# Altium PCB fastic-readout.PcbDoc (part 1 of 6)
Units mm, origin at the board's own origin, x right, y up, seen from the top; angles counter-clockwise.
Board outline 60 x 60 mm, 8 copper layers (Top Layer, L02-GND, L03-PWR, L04- Signal, L05 - Signal, L06-PWR, L07-GND, Bottom Layer), stack 1.566 mm thick; 378 components, 394 nets, 1536 pads, 1082 vias.
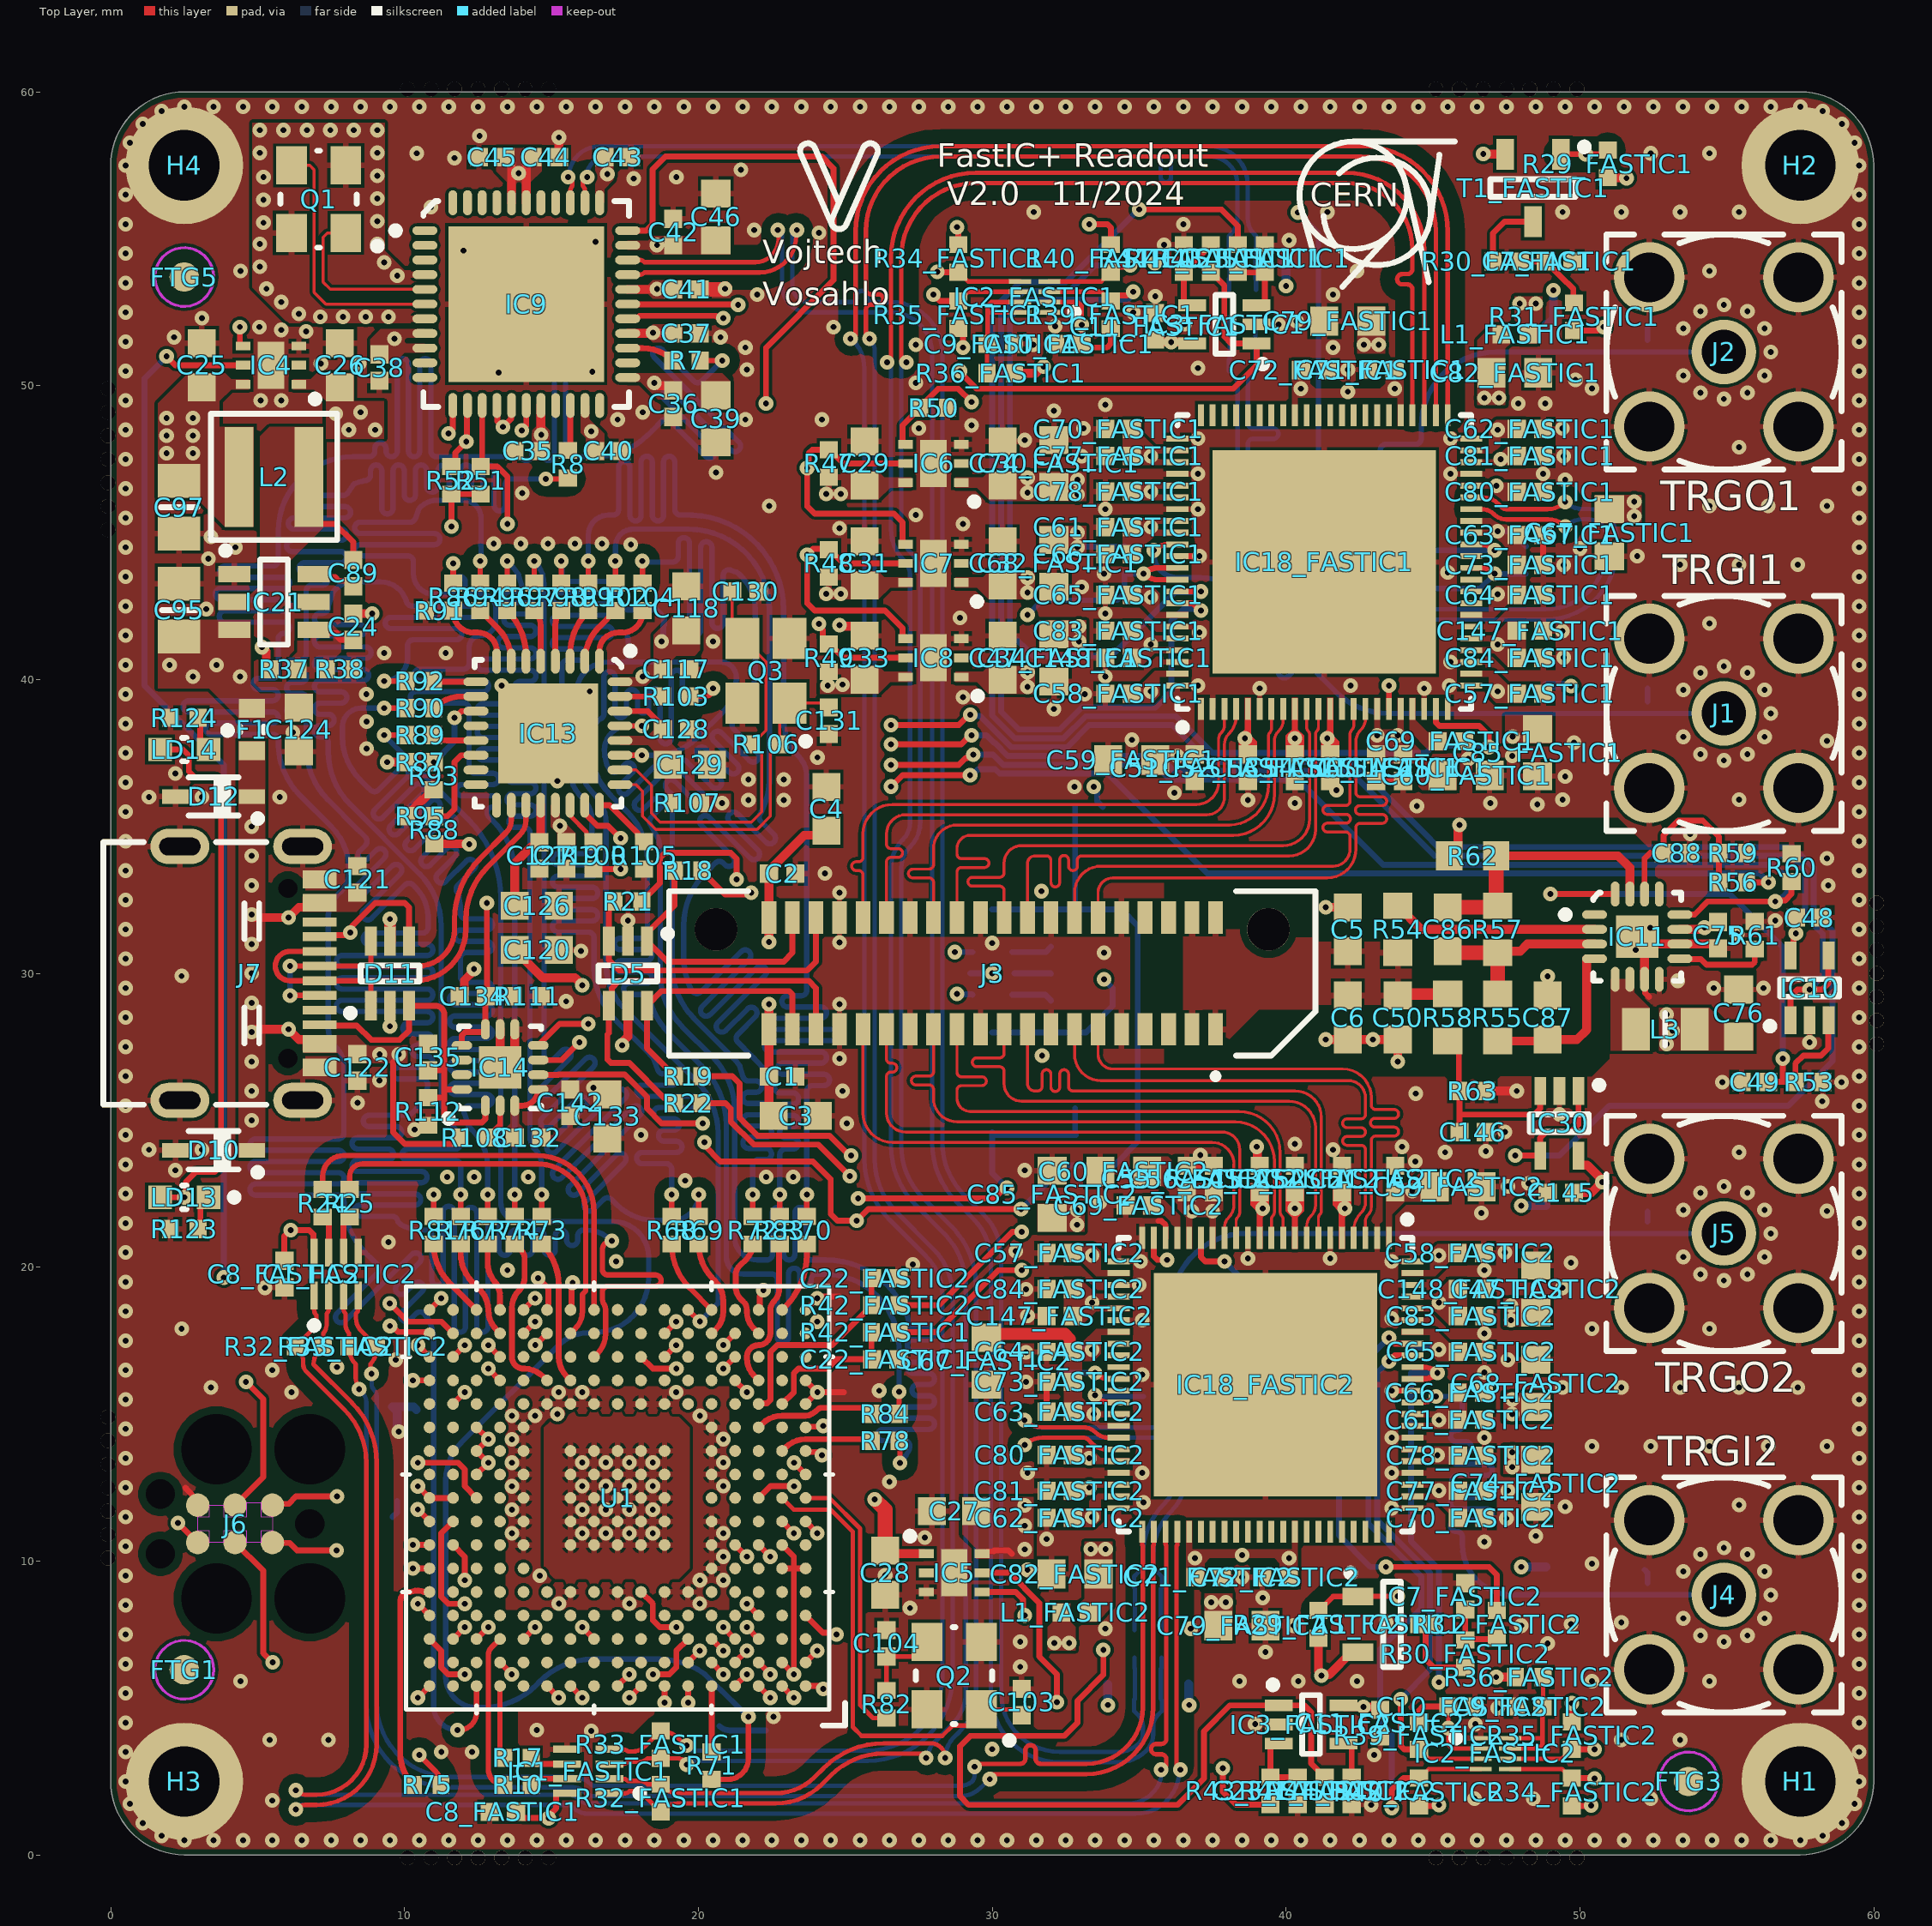
[diagram p0: Top Layer view]
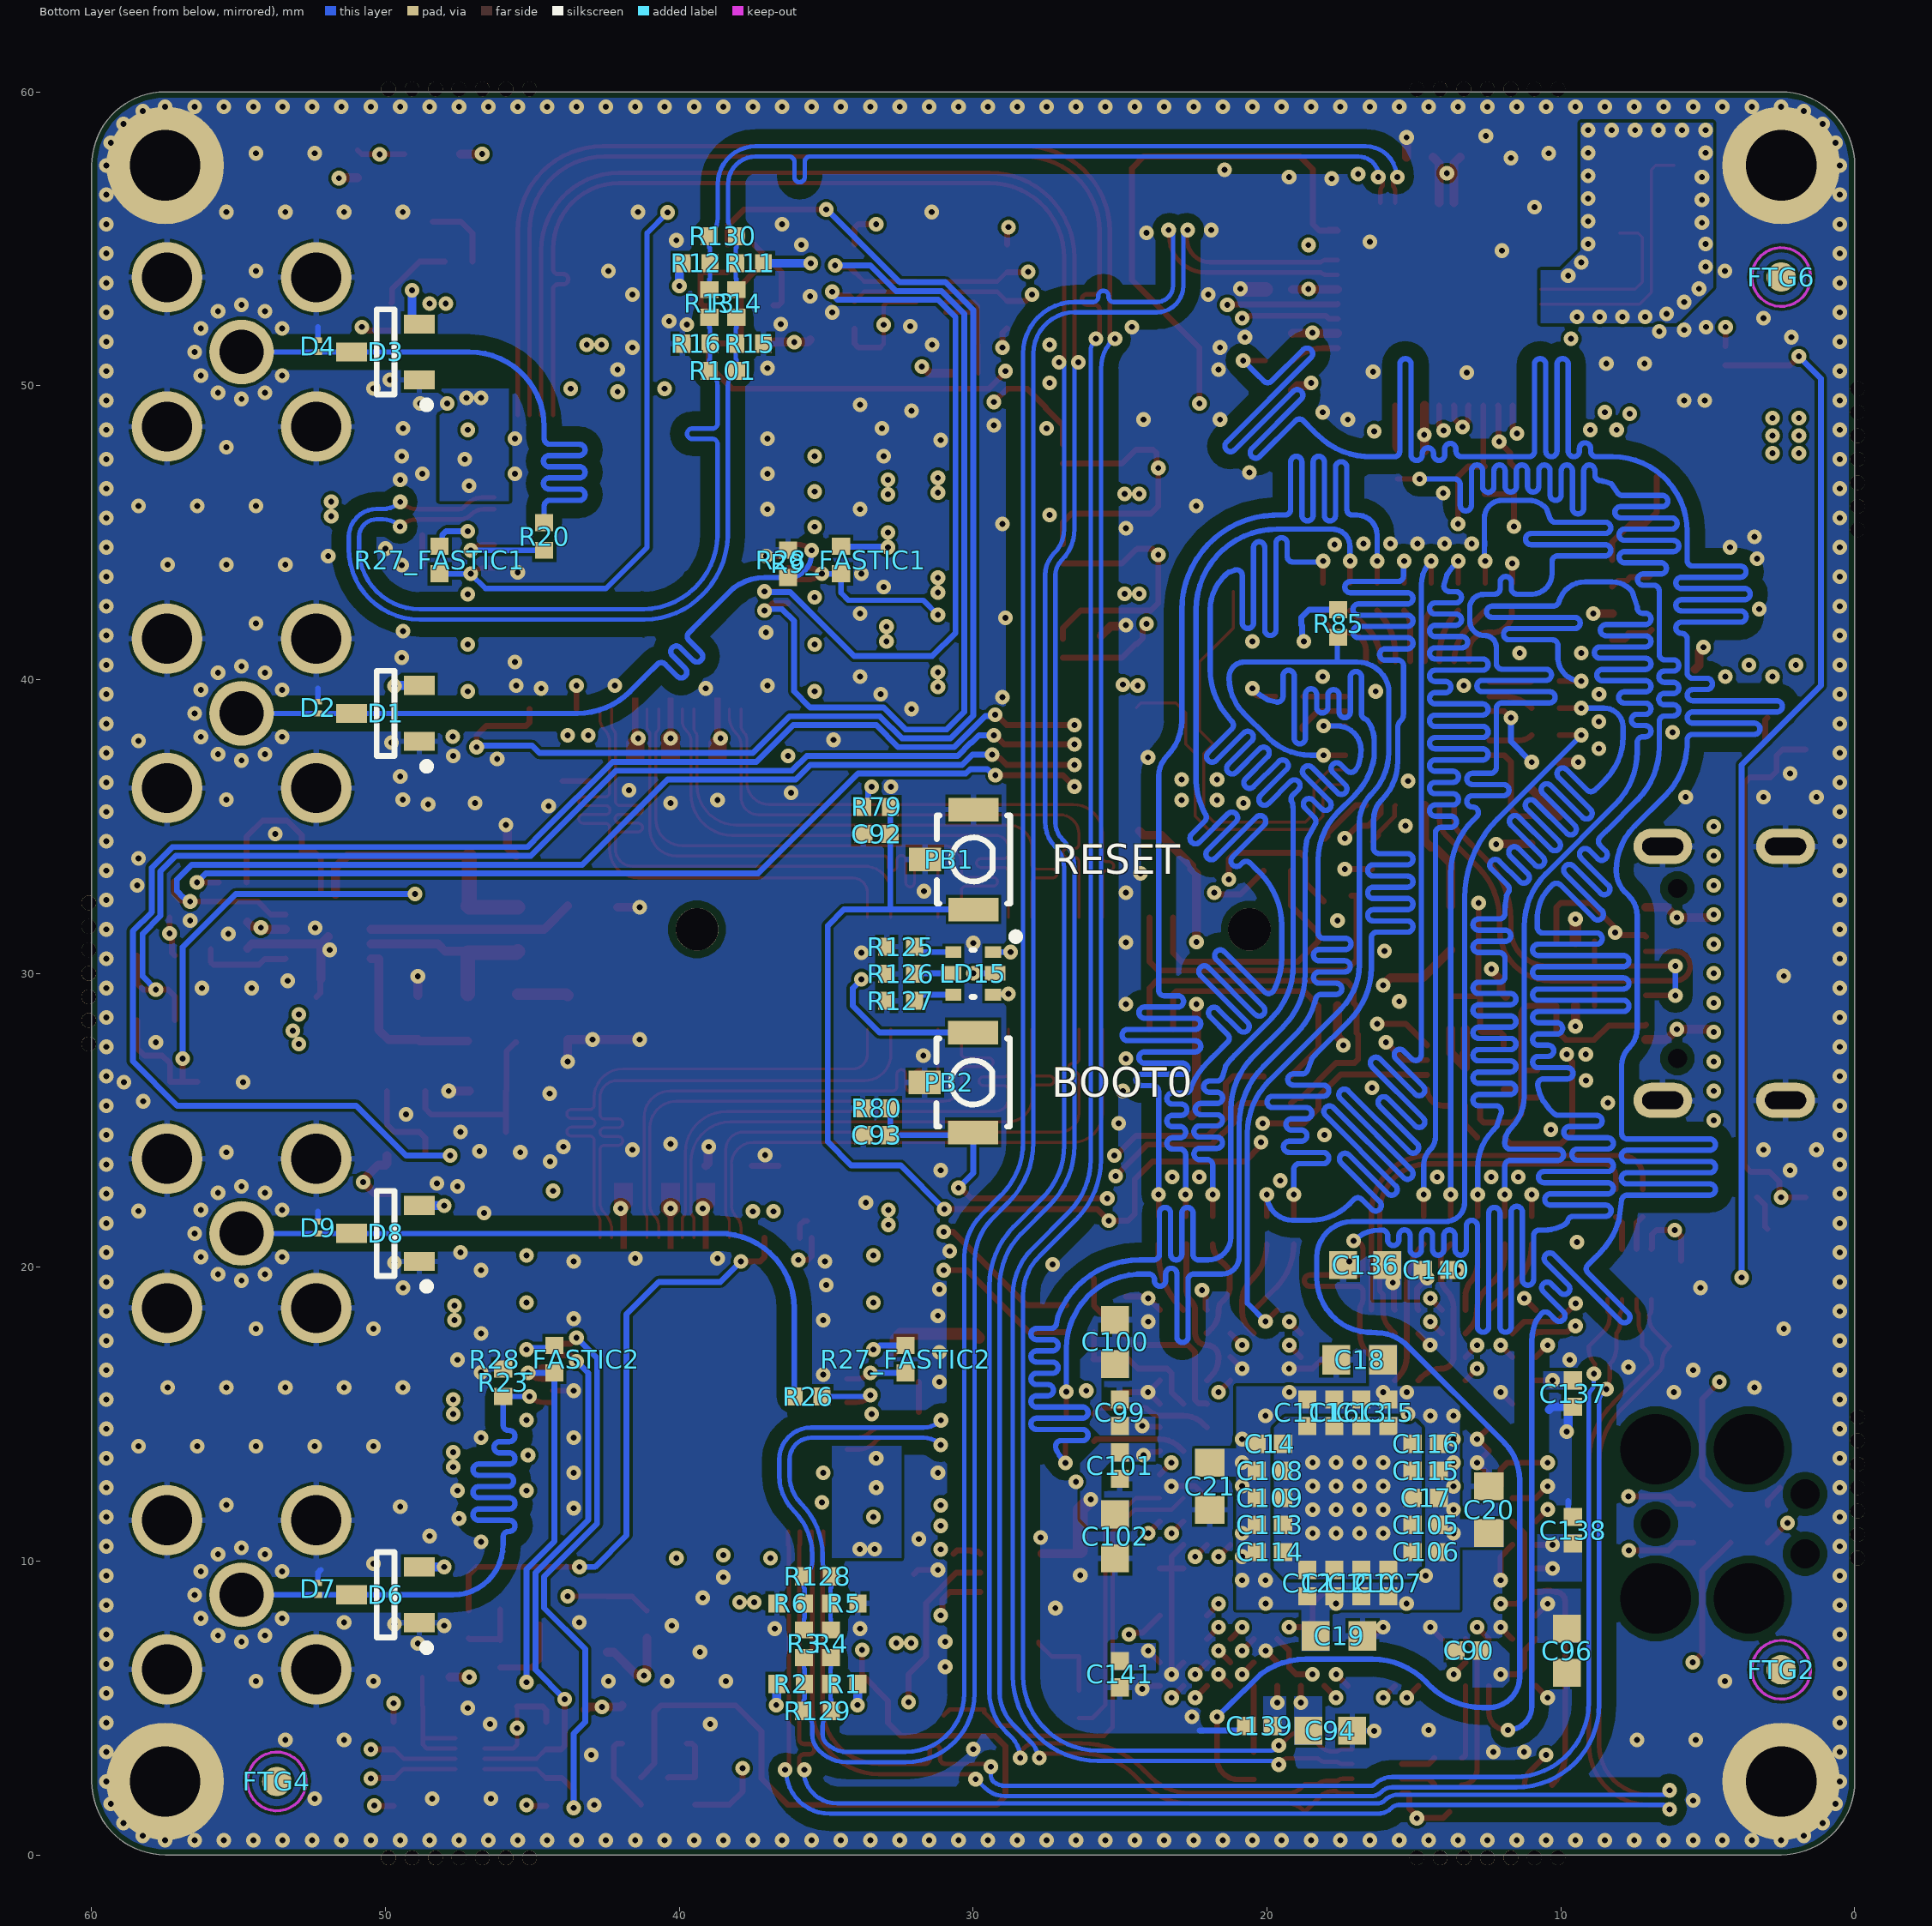
[diagram p1: Bottom Layer view, seen from below]
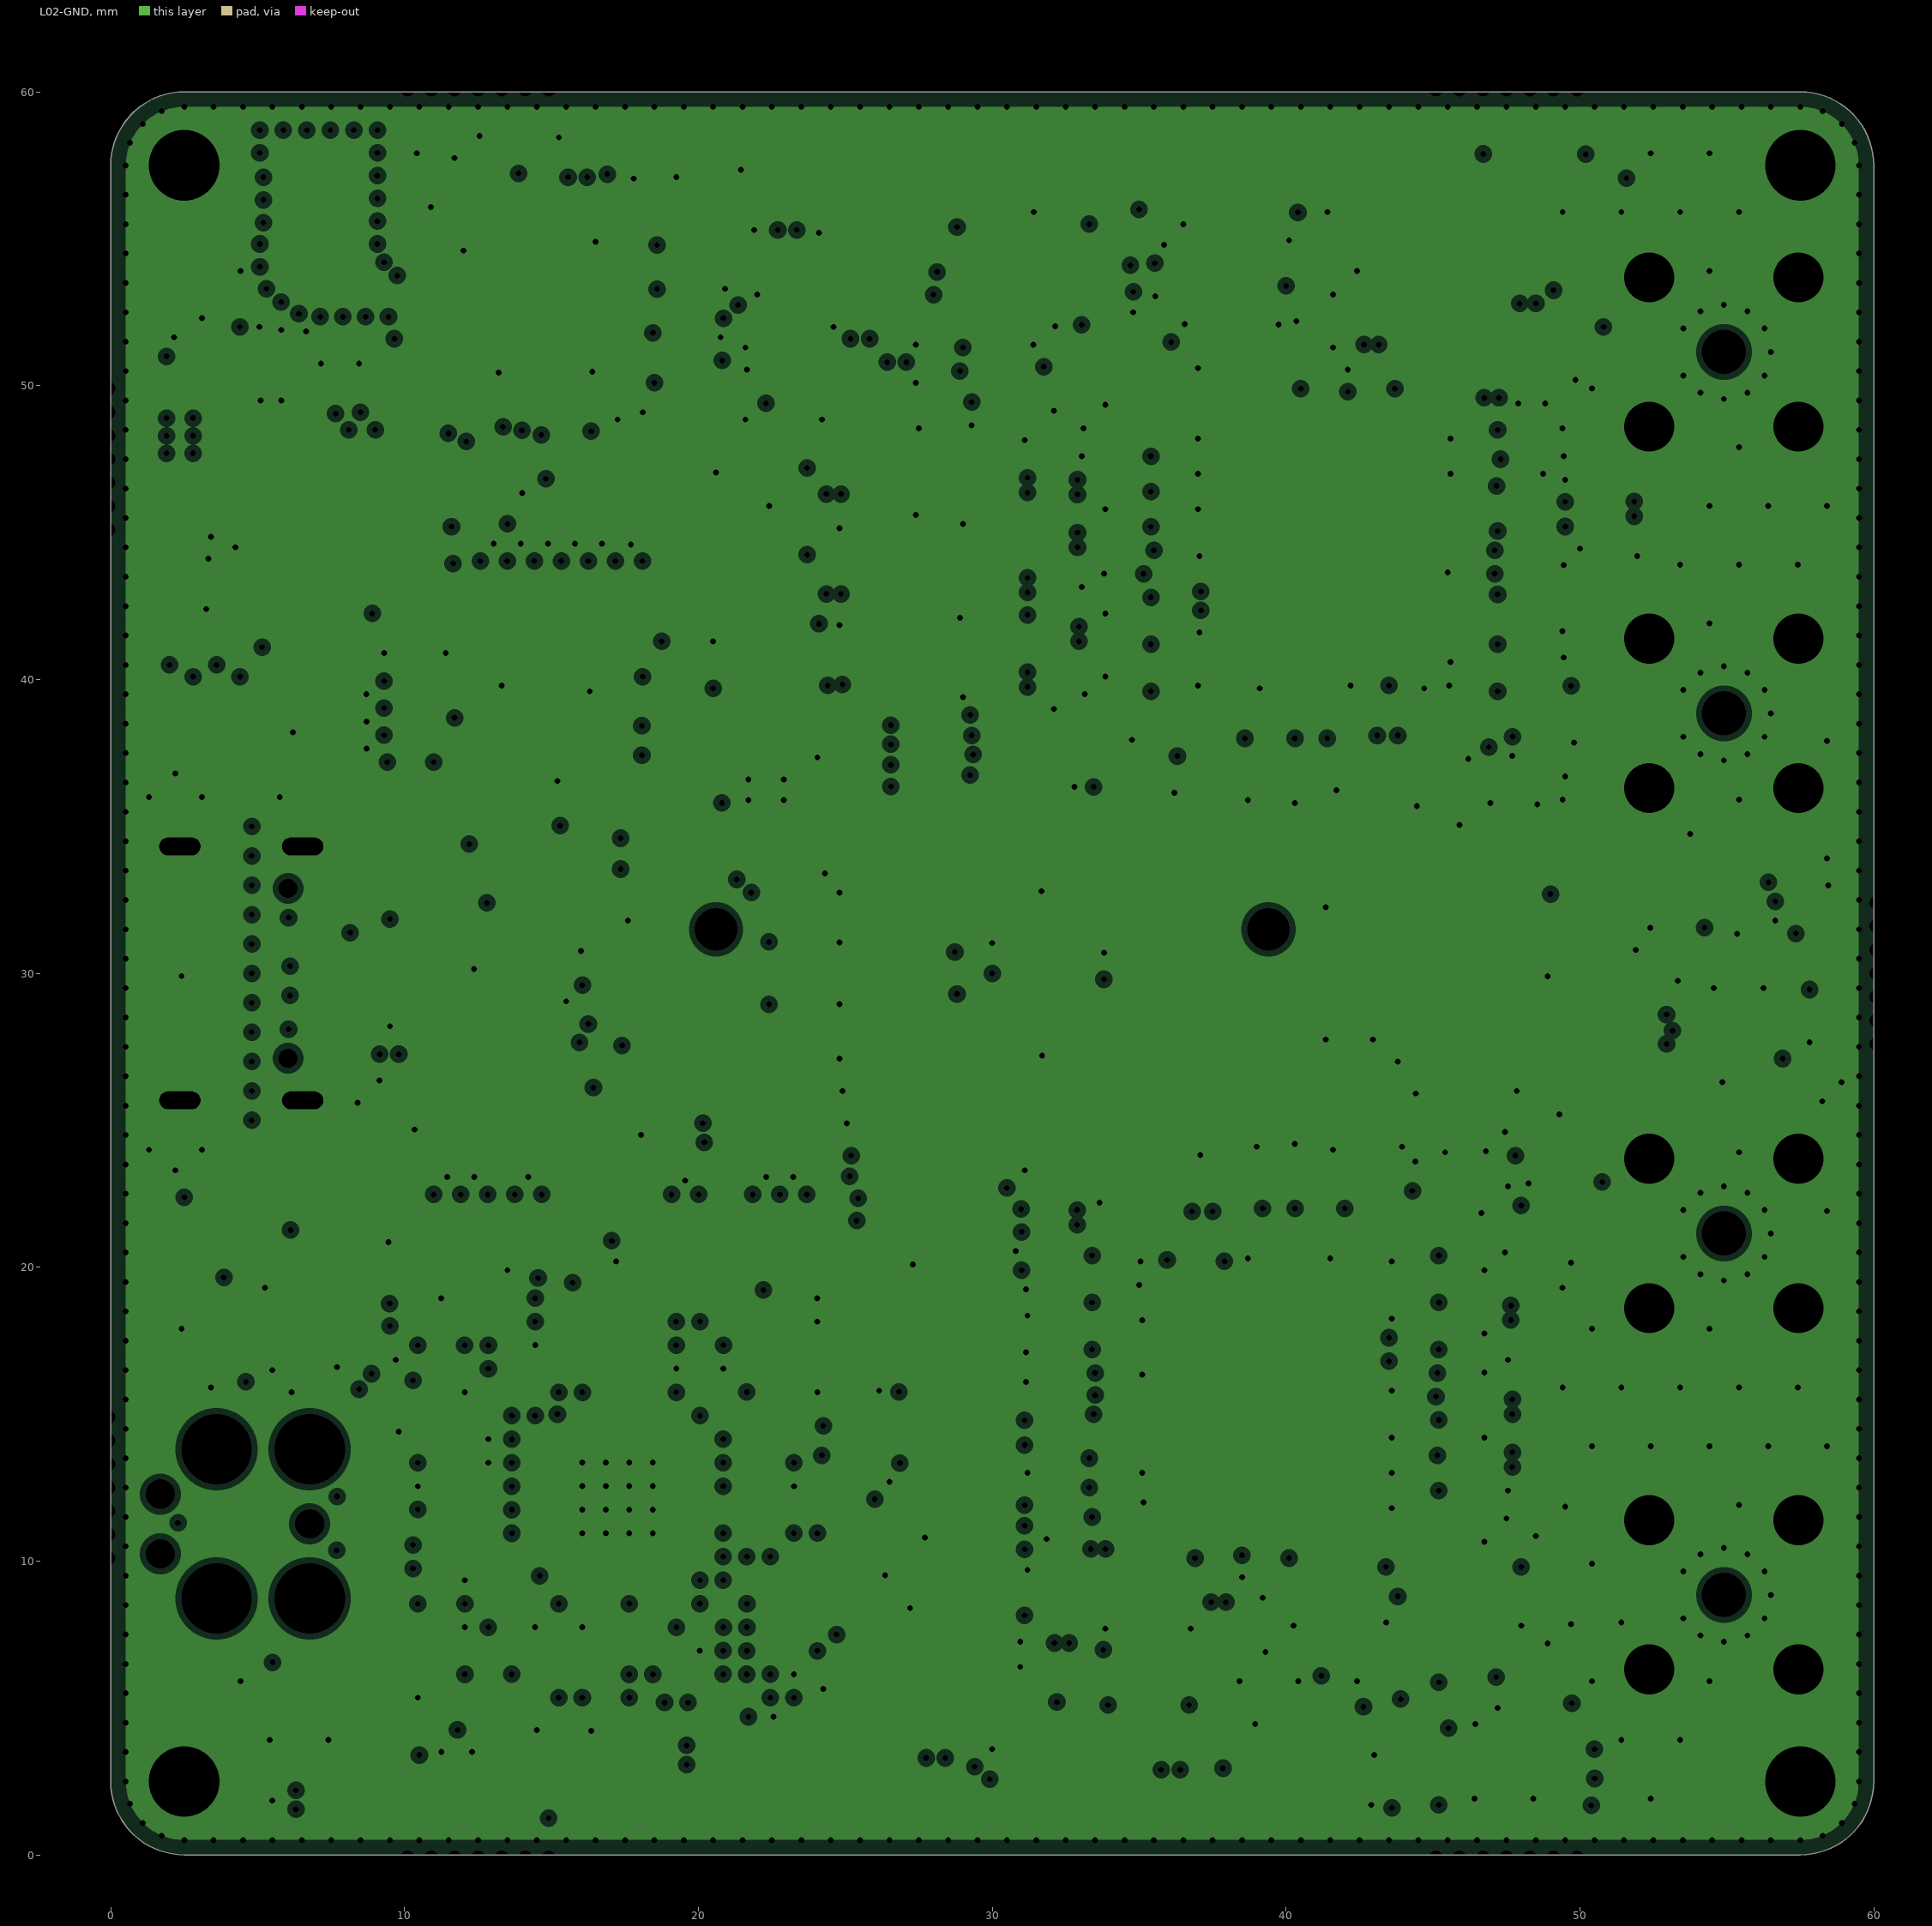
[diagram p2: L02-GND, clearances drawn from the general rule]